# Altium PCB Proyecto_0 - V2.PcbDoc (part 4 of 6) (continued)
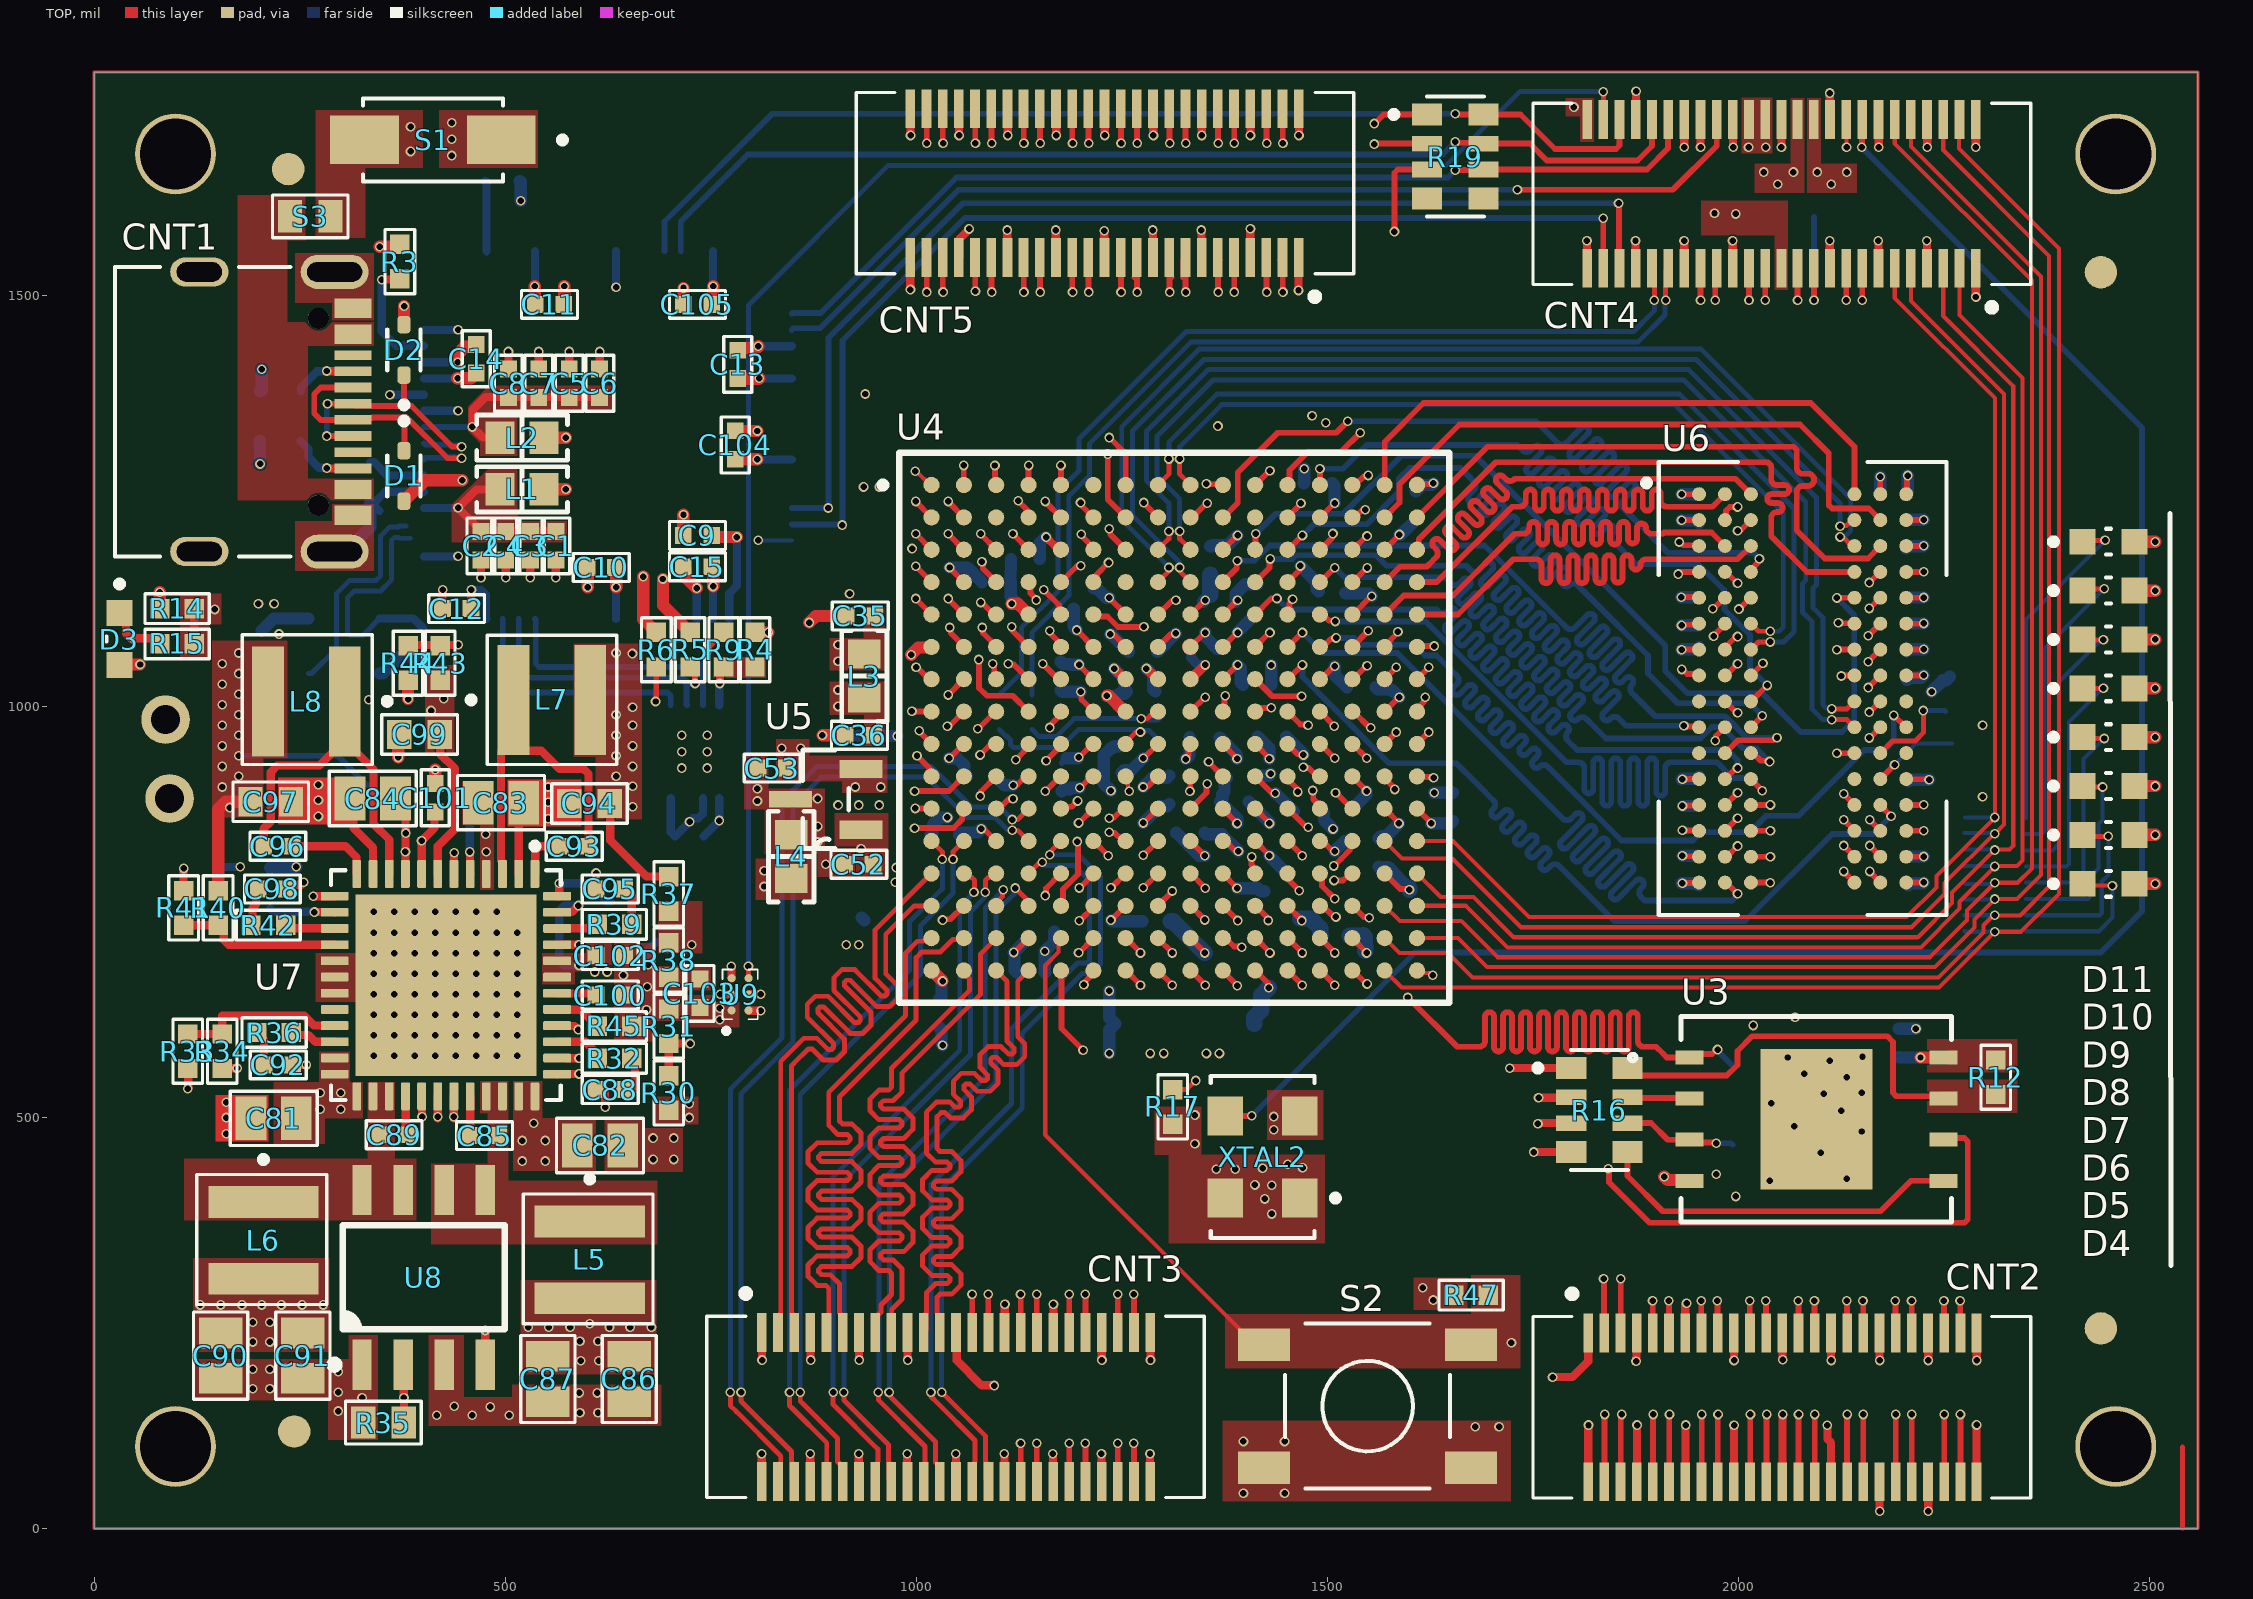
[diagram p0: TOP view]
## Nets (pads, with @x,y where several pads share a name; then routed paths per layer and width w, separated by ;. In a path a pad name is that pad's centre, name@x,y a point inside that pad or via, vN(x,y) a via of type N, cw(c..) or ccw(c..) an arc to the next point about the centre after c; other vN are vias at no path point) (continued)
  TOP w10: R41.2@109,775.91 v1(109,802.91) ; R34.2@156,559.62 156.19,559.81 173.81,559.81 v1(174,560) ; C98.1@234.32,778 239.56,783.24 252.24,783.24 v1(255,786) ; C92.1@241.32,564 v1(258,564) ; v1(266.54,769) 266.8,769.27 U7.13@292.76,769.27 ; C84.1@311.44,888 315.72,883.72 315.72,852.28 339.42,828.58 U7.11@339.42,796.24 ; v1@418,499 v1@418.16,499.16 ; v1(418,501) 418,525.61 U7.30@418.16,525.76 ; C12.1@423.35,1118.68 C12.1@423.69,1119.02 424.03,1119.35 423.69,1119.69 423.69,1141.34 v1@424.03,1141.68 ; v1(470.7,1156.67) C2.1@470.73,1177.97 ; v1(500.7,1156.67) C4.1@500.73,1177.97 ; C8.1@504.03,1410.36 v1@504.03,1431.62 ; U7.2@516.58,796.24 516.58,877.02 C83.1@522.56,883 ; v1(530.7,1156.67) C3.1@530.73,1177.97 ; C7.1@541.03,1410.36 v1@541.03,1431.62 ; v1(561.7,1156.67) C1.1@561.73,1177.97 ; U7.38@563.24,572.42 574.96,572.42 575.17,572.21 589.79,572.21 v1(590,572) ; C5.1@578.03,1410.36 v1@578.03,1431.62 ; C95.1@610.68,778 v1(610.68,797.32) ; C6.1@615.03,1410.36 v1@615.03,1431.62 ; v1(621.68,512.32) 621.68,534 ; U9.B2@796.23,649.86 810.86,649.86 v1(811,650) ; v1@871,91.08 v1@871.16,90.92 ; v1@871.16,90.84 871.16,57.61 CNT3.47@871.31,57.45 ; CNT3.4@871.31,238.55 871.47,238.39 871.47,205.16 v1(871.63,205) ; v1(989,91) 989,57.87 CNT3.41@989.43,57.45 ; CNT3.10@989.43,238.55 989.58,238.39 989.58,205.16 v1(989.74,205) ; CNT5.22@1051.89,1545.9 1052.8,1546.8 1052.8,1568.81 1064.28,1580.3 v1(1064.28,1580.79) ; CNT5.29@1051.89,1727 1052.2,1726.68 v1(1052.2,1694.45) ; v1@1107.22,91.08 v1@1107.38,90.92 ; v1@1107.38,90.84 1107.38,57.61 CNT3.35@1107.54,57.45 ; CNT3.16@1107.54,238.55 1107.77,238.78 1107.77,272.77 v1(1108,273) ; v1(1158,1206) 1168.56,1195.44 1168.63,1195.44 1173.47,1190.6 U4.C5@1176.09,1190.6 ; v1(1169.69,1579.45) 1169.84,1579.29 1169.84,1546.06 CNT5.16@1170,1545.9 ; CNT5.35@1170,1727 1170.31,1726.68 v1(1170.31,1694.45) ; v1@1225.33,91.08 v1@1225.49,90.92 ; v1@1225.49,90.84 1225.49,57.61 CNT3.29@1225.65,57.45 ; CNT3.22@1225.65,238.55 1225.8,238.39 1225.8,205.16 v1(1225.96,205) ; v1(1287.8,1579.45) 1287.95,1579.29 1287.95,1546.06 CNT5.10@1288.11,1545.9 ; CNT5.41@1288.11,1727 1288.32,1726.79 1288.32,1694.66 v1(1288.54,1694.45) ; CNT5.4@1406.22,1545.9 1406.37,1546.05 1406.37,1580.75 v1(1406.52,1580.9) ; CNT5.47@1406.22,1727 1406.54,1726.68 v1(1406.54,1694.45) ; v1(1874.89,1566.45) 1875.05,1566.29 1875.05,1533.06 CNT4.22@1875.2,1532.9 ; CNT4.29@1875.2,1714 1875.39,1714.18 1875.39,1748.17 v1(1875.57,1748.35) ; v1(1875.62,203.49) 1875.97,203.83 1875.97,237.7 CNT2.4@1876.37,238.1 ; CNT2.47@1876.37,57 1876.58,57.21 1876.58,125.79 v1(1876.8,126) ; v1(1993,1566.45) 1993.16,1566.29 1993.16,1533.06 CNT4.16@1993.31,1532.9 ; CNT4.35@1993.31,1714 1993.47,1713.84 v1@1993.47,1680.61 ; v1@1993.47,1680.08 v1@1993.63,1679.92 ; CNT2.41@1994.48,57 1994.8,57.32 v1(1994.8,125.89) ; CNT2.10@1994.48,238.1 1994.64,237.94 1994.64,204.71 v1(1994.8,204.55) ; v1(2108.27,125.89) 2108.27,108.77 2112.56,104.47 CNT2.35@2112.59,57 ; v1(2111.06,1746) 2111.24,1745.82 2111.24,1714.19 CNT4.41@2111.43,1714 ; v1(2111.11,1566.45) 2111.27,1566.29 2111.27,1533.06 CNT4.10@2111.43,1532.9 ; CNT2.16@2112.59,238.1 2112.75,237.94 2112.75,204.71 v1(2112.91,204.55) ; v1(2229.22,1566.45) 2229.38,1566.29 2229.38,1533.06 CNT4.4@2229.54,1532.9 ; CNT4.47@2229.54,1714 2229.69,1713.84 v1@2229.69,1680.61 ; v1@2229.69,1680.08 v1@2229.85,1679.92 ; CNT2.29@2230.7,57 2230.85,56.85 2230.85,21.15 v1(2231,21) ; CNT2.22@2230.7,238.1 2230.86,237.94 2230.86,204.71 v1(2231.02,204.55)
  TOP w12: U4.G3@1095.27,1033.12 U4.G3@1097.35,1033.12 ; U4.G9@1333.77,1033.12 v1@1351.15,1050.49
  TOP w15: D3.C@31,1050.5 31.5,1051 v1(56,1051) ; v1(370,938) 370,964.61 C99.1@371.39,966 ; D1.A@377,1249.58 377,1252.34 377.37,1252.71 380.13,1252.71 402.42,1275 v1(448,1275) ; D2.A@377,1464.42 377.09,1464.51 v1(377.09,1487.02) ; v1(382,1009) R44.2@382,1031.62 ; C101.1@415,906.32 v1(415,923) ; v1(442.54,1418.58) 442.54,1428.8 451.33,1437.59 462.26,1437.59 C14.1@465,1440.32 ; C11.1@571.32,1489 572,1489.68 v1(572,1511) ; C10.1@599.68,1169 600.35,1168.32 v1(600.35,1145) ; C15.1@716.68,1170 719.41,1167.26 719.41,1157.59 v1(733,1144) ; C9.2@716.68,1208 716.68,1232.68 v1(717,1233) ; C105.1@716.68,1490 717,1490.32 v1(717,1509) ; C104.1@780,1335.32 782.41,1335.32 782.74,1335 v1(806.91,1335) ; C13.1@783,1433.32 785.74,1436.06 806.06,1436.06 v1(808,1438) ; L4.1@840,782.85 L4.1@848,790.85 ; v1(870,1102) 878,1110 C35.1@914.68,1110 ; v1(886,965) C36.1@913.68,965 ; v1(1910,428) 1914,424 1939.5,424 U3.4@1940.5,423 ; D4.C@2481.65,784.32 v1(2507.24,784.32) ; D5.C@2481.65,843.75 v1(2507.24,843.75) ; D6.C@2481.65,903.18 v1(2507.24,903.18) ; D7.C@2481.65,962.61 v1(2507.24,962.61) ; D8.C@2481.65,1022.03 v1(2507.24,1022.03) ; D9.C@2481.65,1081.46 v1(2507.24,1081.46) ; D10.C@2481.65,1140.89 v1(2507.24,1140.89) ; D11.C@2481.65,1200.32 v1(2507.24,1200.32)
  TOP w18: U4.F16@1609.16,1072.49 U4.F16@1609.49,1072.81
  BOT w5: v1(808,1202) 808.05,1202.05 U1.47@848.62,1202.05
  BOT w7: C71.1@2204.19,1226.66 C71.1@2204.31,1226.78 ; v1@2225.35,1226.78 v1(2225.48,1226.9)
  BOT w10: R29.1@152,803.61 153.05,804.65 177.65,804.65 v1(178,805) ; R7.1@336,1247.79 R7.1@337.65,1247.79 ; R7.1@347.41,1238.02 R7.1@337.65,1247.79 ; v1(360,1379) 360.21,1379.21 U1.11@401.38,1379.21 ; U1.1@401.38,1182.36 442.54,1182.36 v1(442.76,1182.57) ; U1.5@401.38,1261.1 354.24,1261.1 340.92,1247.79 R7.1@337.65,1247.79 ; U1.10@401.38,1359.53 442.54,1359.53 v1(442.76,1359.74) ; U1.13@401.38,1418.58 v1(442.54,1418.58) ; U1.15@401.38,1457.95 442.54,1457.95 v1(442.76,1458.17) ; U1.25@634.84,1553.62 634.92,1553.54 634.92,1510.08 v1(635,1510) ; v1(674,686) 674,703.63 683.76,713.39 R28.1@688,713.39 ; v1(733,1144) 733.13,1143.87 733.13,1106.78 733,1106.65 U1.51@733.27,1106.38 ; C18.1@741.32,842 v1(760.53,861.2) U2.5@760.53,888.5 ; v1(808,1438) 848.35,1438 U1.35@848.62,1438.27 ; v1(1431.73,1050.34) v1@1432.05,1050.02
  BOT w12: C56.1@1331.41,1070.34 1334.14,1067.61 1334.14,1059.28 1342.93,1050.49 v1(1351.54,1050.49)
  BOT w15: R1.2@201.79,1323 202,1322.79 v1(202,1295) ; R2.2@202.39,1383 204,1384.61 v1(204,1410) ; C16.1@204,1092.32 218.59,1106.91 XTAL1.2@260.66,1106.91 ; CNT1.SH2@292.68,1188.29 306.23,1188.29 336,1218.06 R7.1@336,1247.79 ; XTAL1.2@347.27,1039.98 351.21,1039.98 371.9,1060.68 C17.1@400,1060.68 ; R10.1@518,1639 519,1638 v1(519,1615) ; C51.1@933.52,743.36 C51.1@937,739.88 ; C50.1@1017.68,844 1020.41,846.74 1020.41,856.21 1029.2,865 v1(1038,865) ; C46.1@1028,610 1030.74,607.26 1030.74,589.36 v1(1032.09,588) ; v1(1040.61,1168.99) 1062.26,1168.99 C23.1@1080.03,1151.23 ; C25.1@1096.05,915.34 1107.4,904 v1(1118,904) ; C22.1@1150.05,1179.34 1150.29,1179.58 1150.29,1198.83 v1@1157.53,1206.07 ; C47.1@1157.05,676.34 1156.55,676.84 v1(1156.55,702.34) 1168,713.79 C48.1@1168,726 ; C59.1@1176,1019.68 1177.68,1018 v1(1200,1018) ; C60.1@1177,896.68 1179.74,899.41 1186.97,899.41 1188.52,900.97 v1(1199.09,900.97) ; C30.1@1191.48,1119.09 1191.48,1096.86 v1(1195.46,1092.88) ; v1(1276,902) 1287.25,913.25 1304.99,913.25 C58.1@1307.73,915.99 ; C57.1@1293.38,1066.34 1315.72,1088.68 v1(1315.72,1088.78) ; v1(1328,936) 1332.41,940.41 C68.1@1332.41,962.34 ; v1@1349.05,1127.42 1357.49,1135.87 ; C29.1@1351.05,846.34 1352.9,844.5 1371.5,844.5 v1(1392,824) ; v1(1390.91,1089.86) 1390.91,1090.2 C62.1@1414.73,1114.02 ; C64.1@1404.38,884.34 1429.69,859.03 v1(1429.69,857.67) ; C65.1@1412.32,913 1415.06,915.74 1428.74,915.74 v1(1431,918) ; C39.1@1415.41,963.34 1429.35,949.41 1429.35,936.76 v1(1429.69,936.41) ; v1(1429.69,818.3) 1429.69,817.88 C24.1@1447.98,799.59 ; v1(1431.73,1050.34) 1431.73,1026.67 C66.1@1432.05,1026.34 ; v1(1467.41,1170.84) 1486.94,1151.31 1486.94,1142.74 C40.1@1489.68,1140 ; C42.1@1471.41,1271.34 1472,1271.94 v1(1472,1289.09) ; C67.1@1494.05,872.34 1495.99,870.4 1495.99,862.01 v1(1507,851) ; v1(1509.02,1049) 1509.02,1038.41 C38.1@1524.08,1023.34 ; C31.1@1528.73,873.67 1547.8,892.74 v1(1547.8,897.04) ; C32.1@1562.73,805.02 1574.34,804.78 1585.46,793.18 ; 1585.75,792.88 v1@1600,778.64 ; v1(1587.76,1209) 1589.71,1209 C41.1@1607.73,1227.02 ; v1(1630,895) 1652.39,895 C27.1@1652.73,895.34 ; v1(1930.41,1132.75) 1951.45,1132.75 C77.1@1951.7,1133 ; v1@1930.94,911.45 1931.6,912.11 1949.49,912.11 C70.1@1952.22,914.85 ; v1(1930.94,1068.93) 1931.6,1069.59 1949.49,1069.59 C80.1@1952.22,1072.33 ; v1(1930.94,1226.41) 1931.11,1226.24 1949.49,1226.24 C73.1@1952.22,1223.51 ; v1@1931.32,785.09 v1(1931.95,785.09) 1948.96,785.09 C75.1@1951.7,782.35 ; C19.1@2195,608.32 2195.32,608 v1(2216,608) ; C78.1@2204.44,1100.92 v1(2225.48,1100.92) ; C71.1@2204.44,1226.9 v1(2225.48,1226.9) ; C74.1@2204.7,1067 2207.12,1069.42 v1(2225.48,1069.42) ; v1(2205.9,1280.83) 2205.9,1259.8 C76.1@2206.02,1259.67 ; C72.1@2206.7,782.35 2209.43,785.09 2224.61,785.09 v1(2225.48,785.96) ; C79.1@2207.02,908.67 2209.35,911 v1(2232,911) ; v1(2235,1018) 2248.69,1031.69 2252.69,1031.69 R48.2@2257,1036
  BOT w20: C21.1@1309.45,738.86 1309.69,738.62 1312.52,738.62 v1(1350.95,700.19) ; 1357.49,1135.87 1357.49,1159.78 C43.1@1357.73,1160.02 ; v1@1467.25,742.05 1479.72,742.05 1491.44,730.34 1491.44,722.31 C28.1@1492.41,721.34 ; v1(1600,777) v1@1600,778.64
  other v1: 1398,43 1448,43 871,91 1107.22,91 1225.33,91 1398,106 1448,106 1680,124 1709,124 417,138 460,138 505,138 591,141 613,141 297,143 482,148 438,149 326,159 590,165 612,165 297,166 193,170 214,170 297,191 193,194 214,194 2038,423 2131.71,425.71 680,449 705,449 2100.21,457.21 680,475 705,475 161,480.2 2150,483 1435,485 2068.21,489.21 161,500 1435,501.19 2125,508 2040.21,517.21 161,518.66 2104,529 2150,530 2132,549 2080,553 2111,569 2060,573 2151,574 340,575 365,575 390,575 415,575 440,575 465,575 490,575 515,575 1284.83,578 1301,578 1353,578 1368.83,578 340,600 365,600 390,600 415,600 440,600 465,600 490,600 515,600 340,625 365,625 390,625 415,625 440,625 465,625 490,625 515,625 672,631 340,650 365,650 390,650 415,650 440,650 465,650 490,650 515,650 673,659 644,673 340,675 365,675 390,675 415,675 440,675 465,675 490,675 515,675 340,700 365,700 390,700 415,700 440,700 465,700 490,700 515,700 914.77,710 930,710 340,725 365,725 390,725 415,725 440,725 465,725 490,725 515,725 1469.06,739.56 340,750 365,750 390,750 415,750 440,750 465,750 490,750 815,781 815,800 1276.24,818.89 552.39,863.55 273,866.2 905,880 930,880 955,880 552.39,883.34 273,886 2297,890 552.39,902 273,904.66 1931.95,911.45 715,925 746,925 715,945 746,945 715,965 746,965 334,1008 355,1008 225,1088 200,1125 219,1125 1351.54,1129.23 919,1137 424.13,1141.78 1276.83,1247.93 936,1267 955,1267 1430.28,1286.71 1367,1341 504.07,1431.66 541.07,1431.66 578.07,1431.66 615.07,1431.66 1993.63,1680 2229.85,1680
H1: CNT3.21 U4.J4 | length 757.4
  TOP w7: v1(1121,935) 1131.17,945.17 1131.17,945.38 1136.72,950.94 U4.J4@1136.72,954.37 ; v1(1205.74,285) 1205.85,284.89 CNT3.21@1205.85,238.66
  Signal[1] w6: v1(1121,935) 1142.49,913.51 1142.49,348.25 v1(1205.74,285)
H2: CNT3.20 U4.J3 | length 810.3
  TOP w7: v1(1077.66,941.05) 1088.56,951.95 1094.93,951.95 U4.J3@1097.35,954.37 ; v1(1186.06,285) 1186.17,284.89 CNT3.20@1186.17,238.66
  Signal[1] w6: v1(1077.66,941.05) 1078.61,942 1096,942 1133,905 1133,744 1102,713 1102,691 1122,671 1122,349.06 v1(1186.06,285)
H3: CNT3.30 U4.L2 | length 986.5
  TOP w7: v1(998,852) 1045.3,852 1056.08,862.77 1056.08,873.73 U4.L2@1057.98,875.63 ; v1@1205.74,103.95 v1@1205.85,103.84 ; CNT3.30@1205.85,57.56 v1@1205.85,103.79
  Signal[1] w6: v1(998,852) 988,842 988,782 973.08,767.08 973.08,320.92 1075,219 1090.64,219 v1(1205.74,103.9)
H4: CNT3.18 U4.L3 | length 722.9
  TOP w7: U4.L3@1097.35,875.63 1100.79,875.63 1112.08,886.92 1115.54,886.92 1116.46,887.84 v1(1117.76,887.84) ; v1(1146.69,285) 1146.8,284.89 CNT3.18@1146.8,238.66
  Signal[1] w6: v1(1117.76,887.84) 1104,874.09 1104,797 1095,788 1095,762 1074,741 1074,357.68 v1(1146.69,285)
H5: CNT3.17 U4.K3 | length 732.2
  TOP w7: v1(1078,891) 1078.92,891.92 1078.92,896.57 U4.K3@1097.35,915 ; v1(1127,285) 1127.11,284.89 1127.11,238.66 CNT3.17@1127.22,238.55
  Signal[1] w6: v1(1078,891) 1092,877 1092,814 1059,781 1059,353 v1(1127,285)
IN_Filter_ADC_N: CNT4.21 R21.2 | length 1169.1
  TOP w6: CNT4.21@1894.89,1532.9 1897.8,1529.99 1897.8,1509.2 1898.23,1508.76 1898.23,1494.41 v1(1897.83,1494)
  BOT w6: R21.2@1101,1014 1128,1041 1128,1095.55 1172.69,1140.24 1172.69,1239.35 1172.57,1239.47 1172.57,1261.02 1198,1286.45 1198,1325.38 1328.62,1456 1872.41,1456 1897.83,1481.42 v1(1897.83,1494)
IN_Filter_ADC_P: CNT4.20 R20.2 | length 1162.1
  TOP w6: v1@1911.23,1491.19 1911.23,1494 v1@1911.23,1494.41 ; v1@1911.54,1494.05 v1(1911.64,1494) ; v1@1911.64,1493.56 1911.64,1493.9 v1(1911.64,1494) ; CNT4.20@1914.57,1532.9 1911.67,1529.99 1911.67,1509.2 1911.23,1508.76 v1@1911.23,1494.41 ; v1@1911.23,1494.41 v1(1911.64,1494) v1(1911.64,1494)
  BOT w6: R20.2@1141,1014 1141,1090.16 1185.69,1134.85 1185.69,1244.74 1185.57,1244.85 1185.57,1255.64 1211,1281.06 1211,1320 1334,1443 1877.79,1443 1910.83,1476.04 1910.83,1493.19 v1(1911.64,1494)
J1: CNT3.24 U4.J5 | length 767.5
  TOP w7: v1(1158,934) 1176.09,952.09 U4.J5@1176.09,954.37 ; v1(1264.8,285) 1264.91,284.89 CNT3.24@1264.91,238.66
  Signal[1] w6: v1(1158,934) 1185,907 1185,364.8 v1(1264.8,285)
J3: CNT3.31 U4.K2 | length 1029.9
  TOP w7: v1(998,897) 1039.98,897 U4.K2@1057.98,915 ; v1@1186.06,103.95 v1@1186.17,103.84 ; CNT3.31@1186.17,57.56 v1@1186.17,103.79
  Signal[1] w6: v1(998,897) 981,880 981,856 957,832 957,314 1068,203 1086.95,203 v1(1186.06,103.9)
J4: CNT3.33 U4.J1 | length 1042.9
  TOP w7: v1(1003.87,970.36) 1003.87,969.12 U4.J1@1018.61,954.37 ; v1@1146.69,103.95 v1@1146.8,103.84 ; CNT3.33@1146.8,57.56 v1@1146.8,103.79
  Signal[1] w6: v1(1003.87,970.36) 984,950.49 969,935.49 969,860 945,836 945,305.58 v1(1146.69,103.9)
J5: CNT3.34 U4.H1 | length 1103.7
  TOP w7: v1(994.84,994.04) 996.89,994.04 997.06,993.87 1018.49,993.87 U4.H1@1018.61,993.74 ; v1@1127,103.95 v1@1127.11,103.84 ; CNT3.34@1127.11,57.56 v1@1127.11,103.79
  Signal[1] w6: v1(994.84,994.04) 975.04,994.04 949,968 944.09,963.09 944.09,868 902,825.91 902,328.9 v1(1127,103.9)
K1: CNT3.23 U4.K5 | length 721.4
  TOP w7: v1(1157,897) 1157.54,897 1175.55,915 U4.K5@1176.09,915 ; v1(1245.11,285) 1245.22,284.89 CNT3.23@1245.22,238.66
  Signal[1] w6: v1(1157,897) 1174,880 1174,356.11 v1(1245.11,285)
K2: CNT4.18 U4.E6 | length 1002.3
  TOP w7: U4.E6@1215.46,1111.86 1217.89,1109.43 1232.57,1109.43 1245.49,1096.51 1276.51,1096.51 v1(1277,1097) ; CNT4.18@1953.94,1532.9 1954,1532.84 v1(1954,1494)
  Signal[1] w6: v1(1277,1097) 1300.34,1097 1378.51,1175.17 1378.51,1267.08 1475.8,1364.37 1824.37,1364.37 v1(1954,1494)
K3: CNT4.17 U4.G4 | length 1183.2
  TOP w7: v1(1112,1052) 1112.92,1051.08 1118.76,1051.08 U4.G4@1136.72,1033.12 ; v1@1972,1493.8 v1@1972,1494.2 ; v1(1972,1494) 1972,1531.27 CNT4.17@1973.63,1532.9
  Signal[1] w6: v1(1112,1052) 1123.43,1063.43 1306.99,1063.43 1402.09,1158.53 1402.09,1273.95 1450.23,1322.09 1800.09,1322.09 v1(1972,1494)
K5: CNT4.15 U4.G5 | length 1193.7
  TOP w7: v1(1154,1052) 1172.88,1033.12 U4.G5@1176.09,1033.12 ; v1@2012.97,1494.03 CNT4.15@2013,1532.9
  Signal[1] w6: v1(1154,1052) 1170.82,1035.18 1319.71,1035.18 1413.59,1129.06 1413.59,1177.63 1429.9,1193.94 1429.9,1263.13 1474.78,1308 1826.94,1308 1972,1453.05 v1(2012.94,1494)
K13: CNT2.28 U4.N6 | length 1705.6
  TOP w7: v1@1198.89,779.26 U4.N6@1216.27,796.63 ; CNT2.28@2250.33,57.17 2250.41,57.24 v1@2250.41,138.98
  Signal[1] w6: v1(1198.5,779.26) 1216.6,761.16 1216.6,432.4 1618,31 2142.43,31 v1@2250.43,139
  other v1: 2250.43,138.9
L1_N: CNT3.3 U4.P1 | length 859.6
  TOP w6: CNT3.3@851.63,238.55 848.72,241.46 848.72,262.25 848.29,262.69 848.29,562.9 851.19,565.81 868.78,583.4 873.75,583.4 887.16,569.99 902.85,569.99 912.57,579.72 912.57,595.41 880.51,627.46 880.51,632.38 882.62,634.49 887.54,634.49 919.6,602.43 935.28,602.43 945.01,612.16 945.01,627.84 912.95,659.9 912.95,664.82 915.06,666.93 919.98,666.93 952.03,634.87 967.72,634.87 977.45,644.59 977.45,660.28 963,674.73 963,689.33 963,722.9 997.63,757.52 U4.P1@1018.61,757.52
L1_P: CNT3.2 U4.N1 | length 892
  TOP w6: CNT3.2@831.94,238.55 834.85,241.46 834.85,262.25 835.29,262.69 835.29,568.29 842,575 863.4,596.4 879.14,596.4 892.54,582.99 897.46,582.99 899.57,585.1 899.57,590.02 867.51,622.08 867.51,637.77 877.24,647.49 892.92,647.49 924.98,615.43 929.9,615.43 932.01,617.54 932.01,622.46 899.95,654.52 899.95,670.2 909.67,679.93 925.36,679.93 957.42,647.87 962.34,647.87 964.45,649.98 964.45,654.9 950,669.34 950,702.33 950,728.28 U4.N1@1018.61,796.89
L2: CNT3.27 U4.G2 | length 1125.4
  TOP w7: v1(1039,1014) 1039,1014.07 U4.G2@1057.98,1033.12 U4.G2@1057.98,1033.12 ; v1@1264.8,103.95 v1@1264.91,103.84 ; CNT3.27@1264.91,57.56 v1@1264.91,103.79
  Signal[1] w6: v1(1039,1014) 1025,1000 1025,844 1017,836 1017,768 1005.15,756.15 1005.15,328.85 1091,243 1125.69,243 v1(1264.8,103.9)
L2_N: CNT3.48 U4.M4 | length 1207.2
  TOP w6: v1(787,166) 787,155 848.29,93.71 848.29,81.59 848.72,81.15 848.72,60.35 CNT3.48@851.63,57.45 ; v1(1117,849.45) 1123.54,849.45 U4.M4@1136.72,836.26
  BOT w6: v1@787,167 787,529 850,592 850,879.62 884.38,914 1012.62,914 1061.92,864.69 1096.37,864.69 1104,857.07 1111.62,849.45 v1(1117,849.45)
L2_P: CNT3.49 U4.L4 | length 1228.7
  TOP w6: v1(774,166) 774,149.62 781.62,142 835.29,88.33 835.29,81.59 834.85,81.15 834.85,60.35 CNT3.49@831.94,57.45 ; v1(1117,862.45) 1123.54,862.45 U4.L4@1136.72,875.63
  BOT w6: v1@774,167 774,534.38 837,597.38 837,885 879,927 1018,927 1067.31,877.69 1101.76,877.69 v1(1117,862.45)
L3: CNT3.28 U4.K1 | length 1056.1
  TOP w7: v1(1001,940) 1016.19,924.81 1016.19,917.43 U4.K1@1018.61,915 ; v1@1245.11,103.95 v1@1245.22,103.84 ; CNT3.28@1245.22,57.56 v1@1245.22,103.79
  Signal[1] w6: v1(1001,940) 1001,921 1012.25,909.76 1012.25,847.24 1002,837 1002,771 989.11,758.11 989.11,323.89 1083.5,229.5 1119.51,229.5 v1(1245.11,103.9)
L3_N: CNT3.5 U4.R1 | length 874.8
  TOP w6: CNT3.5@891,238.55 893.69,241.24 893.69,274 893.69,292.28 890.18,295.79 879.5,295.79 868.41,306.88 868.41,320.63 879.5,331.73 916.34,331.73 919.82,335.21 919.82,338.19 916.34,341.67 879.5,341.67 868.41,352.76 868.41,366.51 879.5,377.6 916.34,377.6 919.82,381.08 919.82,384.06 916.34,387.54 879.5,387.54 868.41,398.63 868.41,412.38 879.5,423.48 916.34,423.48 919.82,426.95 919.82,429.94 916.34,433.41 879.5,433.41 868.41,444.51 868.41,458.26 879.5,469.35 916.34,469.35 919.82,472.83 919.82,475.81 916.34,479.29 904.82,479.29 893.69,490.42 893.69,502.61 893.69,530.69 987,624 987,699.93 1001.47,714.41 1008.26,714.41 1009.39,715.54 1016,715.54 U4.R1@1018.61,718.15
L3_P: CNT3.6 U4.R2 | length 898.5
  TOP w6: CNT3.6@910.69,238.55 907.78,241.46 907.78,261.6 906.69,262.69 906.69,274 906.69,297.66 895.56,308.79 884.88,308.79 881.41,312.27 881.41,315.25 884.88,318.73 921.73,318.73 932.82,329.82 932.82,343.57 921.73,354.67 884.88,354.67 881.41,358.14 881.41,361.12 884.88,364.6 921.73,364.6 932.82,375.7 932.82,389.45 921.73,400.54 884.88,400.54 881.41,404.02 881.41,407 884.88,410.48 921.73,410.48 932.82,421.57 932.82,435.32 921.73,446.41 884.88,446.41 881.41,449.89 881.41,452.87 884.88,456.35 921.73,456.35 932.82,467.44 932.82,481.19 921.73,492.29 910.21,492.29 906.69,495.8 906.69,502.61 906.69,525.31 1000,618.62 1000,694.55 1006.86,701.41 1029.41,701.41 1044.75,716.75 1056.57,716.75 U4.R2@1057.98,718.15
L4_N: CNT3.46 U4.M1 | length 880.1
  TOP w6: v1(846,166) 846,149.62 848.91,146.71 891.24,104.38 891.24,57.69 CNT3.46@891,57.45 ; U4.M1@1018.61,836.26 1031.8,823.08 v1(1031.8,814)
  BOT w6: v1(846,166) 846,533.38 992,679.38 992,738.38 1031.8,778.18 v1(1031.8,814)
L4_P: CNT3.45 U4.M2 | length 882.6
  TOP w6: v1(859,166) 859,155 861.91,152.09 904.24,109.76 904.24,81.61 910.69,75.17 CNT3.45@910.69,57.45 ; v1(1044.8,814) 1044.8,823.08 U4.M2@1057.98,836.26
  BOT w6: v1(859,166) 859,528 1005,674 1005,733 1044.8,772.8 v1(1044.8,814)
L5: CNT4.9 U4.L5 | length 1339.4
  TOP w7: U4.L5@1176.09,875.63 1178.52,878.06 1189.27,878.06 v1(1196.23,885.02) ; v1(2131.11,1494) CNT4.9@2131.11,1532.9
  Signal[1] w6: v1(1196.23,885.02) 1361.08,885.02 1523.69,1047.63 1523.69,1201.55 1548.61,1226.48 1865.65,1226.48 v1@2131.11,1491.93
L5_N: CNT3.8 U4.T2 | length 773.7
  TOP w6: CNT3.8@950.06,238.55 950.06,256.27 957.25,263.46 957.25,271.92 970,284.68 970,290 970,310.44 966.49,313.95 954.67,313.95 943.57,325.05 943.57,338.8 954.67,349.89 979.53,349.89 983.01,353.37 983.01,356.35 979.53,359.83 954.67,359.83 943.57,370.92 943.57,384.67 954.67,395.76 979.53,395.76 983.01,399.24 983.01,402.22 979.53,405.7 954.67,405.7 943.57,416.79 943.57,430.54 954.67,441.64 979.53,441.64 983.01,445.12 983.01,448.1 979.53,451.57 954.67,451.57 943.57,462.67 943.57,476.42 954.67,487.51 979.53,487.51 983.01,490.99 983.01,493.97 979.53,497.45 954.67,497.45 943.57,508.54 943.57,522.29 954.67,533.39 966.49,533.39 970,536.9 970,559.81 987.19,577 1065,654.81 1065,668.43 1057.98,675.44 U4.T2@1057.98,678.78
L5_P: CNT3.9 U4.R3 | length 815.4
  TOP w6: CNT3.9@969.74,238.55 970.25,239.06 970.25,266.54 983,279.29 983,290 983,315.82 971.87,326.95 960.05,326.95 956.57,330.43 956.57,333.41 960.05,336.89 984.92,336.89 996.01,347.98 996.01,361.73 984.92,372.83 960.05,372.83 956.57,376.3 956.57,379.29 960.05,382.76 984.92,382.76 996.01,393.86 996.01,407.61 984.92,418.7 960.05,418.7 956.57,422.18 956.57,425.16 960.05,428.64 984.92,428.64 996.01,439.73 996.01,453.48 984.92,464.57 960.05,464.57 956.57,468.05 956.57,471.03 960.05,474.51 984.92,474.51 996.01,485.6 996.01,499.35 984.92,510.45 960.05,510.45 956.57,513.93 956.57,516.91 960.05,520.39 971.87,520.39 983,531.51 983,554.42 999.01,570.43 1078,649.42 1078,698.8 U4.R3@1097.35,718.15
L6_N: CNT3.43 U4.N2 | length 842.9
  TOP w6: v1(899,166) 899,151 953.4,96.6 953.4,81.59 952.96,81.15 952.96,60.35 CNT3.43@950.06,57.45 ; U4.N2@1057.98,796.89 1061.69,796.89 1066.66,791.92 1067.65,791.92 1071.17,788.4 1071.17,783.43 1071.09,783.36 1071.09,774.81 v1(1070.28,774)
  BOT w6: v1(899,166) 899,428 1053,582 1053,756.72 v1(1070.28,774)
L6_P: CNT3.42 U4.N3 | length 842.9
  TOP w6: v1(912,166) 912,156.38 966.4,101.99 966.4,81.59 966.83,81.15 966.83,60.35 CNT3.42@969.74,57.45 ; v1(1084.09,774) 1084.17,774.07 1084.17,788.4 1087.68,791.92 1088.67,791.92 1093.65,796.89 U4.N3@1097.35,796.89
  BOT w6: v1(912,166) 912,422.62 1066,576.62 1066,750.45 1083.28,767.73 1083.28,773.19 v1(1084.09,774)